# Allegro board RK3576_TEMPLATE_LP4XD200P132SD6_24X34_2133MHz_H1R0_V11_20240529YWQ.brd (continued)
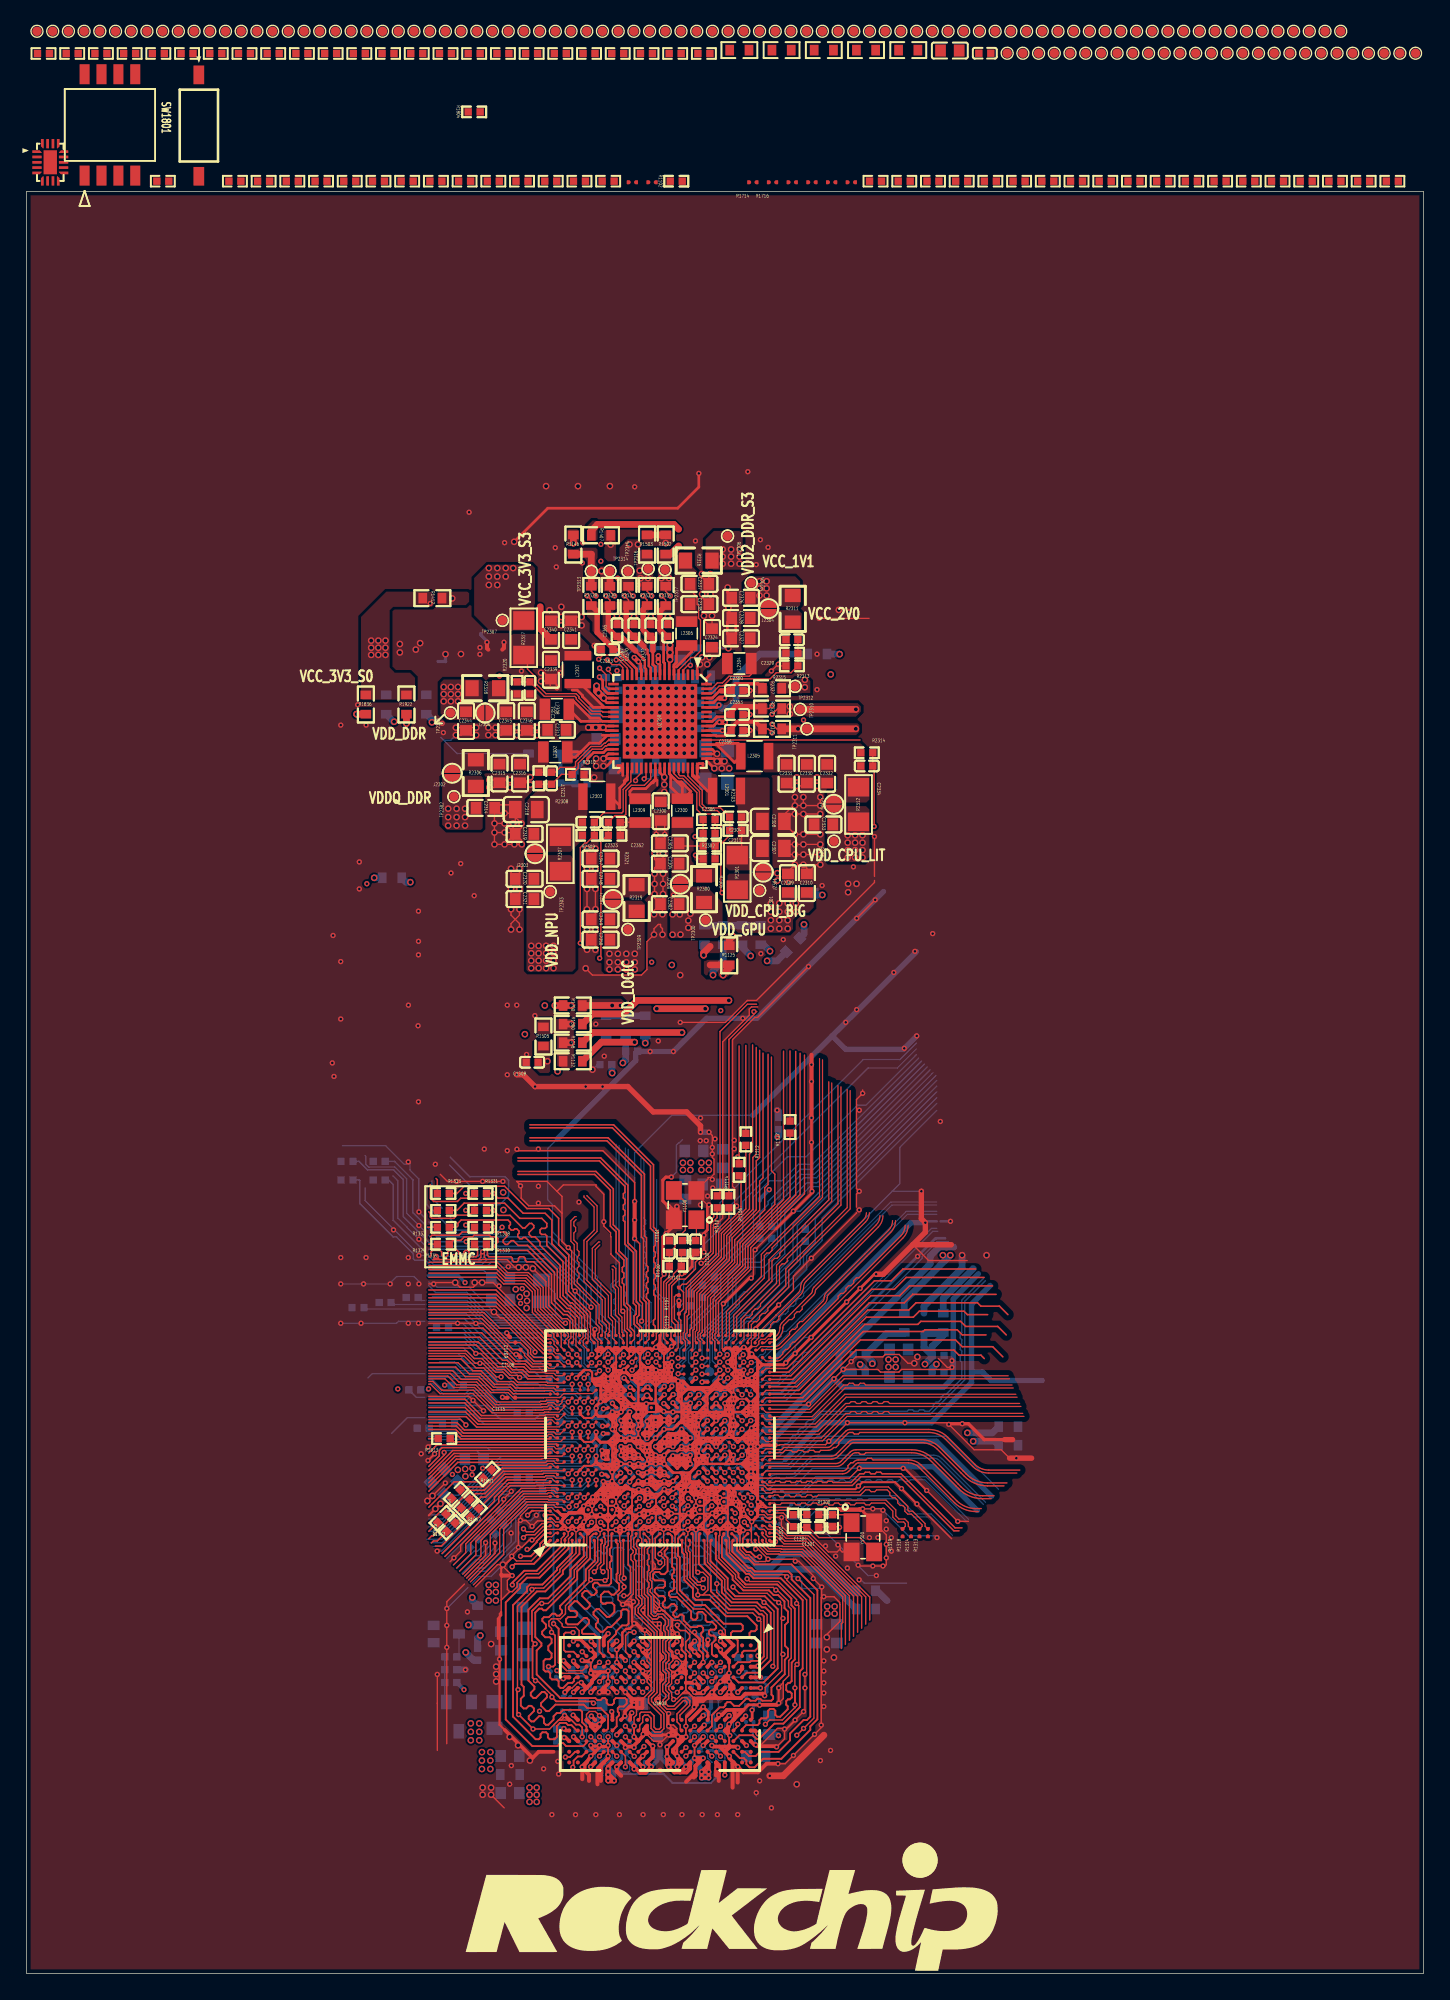
[diagram p0: board, top side]
## Routing (per net, layer and track width the routed paths; a pad name or vN(x,y) marks a point on that pad's centre or on a via; arc(x,y) is an arc through that point) (continued)
MIPI_DCPHY_AVDD1V2: length 44.9
  TOP w0.229: v1(51.2,41.56) 50.88,41.24 U1000.2M8
  L4-SIG w0.178: 55.94,42.8 55.43,42.29 51.93,42.29 v1(51.2,41.56)
  L4-SIG w0.508: v2(55.68,76.13) 59.03,72.78 59.03,70.2 60.23,69 60.23,47.09 55.94,42.8
  BOTTOM w0.305: v1(51.2,41.56) 50.98,41.77 C1506.1
  BOTTOM w0.508: v2(55.68,76.13) 56.44,76.13 R1504.1
MIPI_DCPHY_AVDD1V8: length 45
  TOP w0.229: U1000.2P8 v1(52.5,41.56)
  L4-SIG w0.178: v1(52.5,41.56) 52.87,41.93 55.93,41.93
  L4-SIG w0.508: v2(55.9,76.85) 59.64,73.11 59.64,70.45 60.84,69.25 60.84,45.72 57.4,42.29 56.29,42.29 55.93,41.93
  BOTTOM w0.305: v1(52.5,41.56) 52.82,41.24 C1509.1
  BOTTOM w0.508: v2(55.9,76.85) 55.4,77.35 R1506.1
MIPI_DCPHY_VREG: length 1
  TOP w0.229: U1000.2N7 51.52,40.59 v1(51.85,40.91)
  BOTTOM w0.305: C1503.1 51.62,40.68 v1(51.85,40.91)
MIPI_DPHY_CSI0_CAM_CLKOUT: length 9.6
  BOTTOM w0.102: R1951.2 38.67,36.2 36.89,36.2 36.59,35.89 36.25,35.89 36.13,36.02 35.75,36.02 31.27,31.53
MIPI_DPHY_CSI0_PDN_H: length 13.9
  TOP w0.102: v1(41.63,37.1) U1000.1C7
  BOTTOM w0.102: 30.35,32.38 31.26,32.38 35.7,36.83 38.17,36.83 38.37,37.03 40.19,37.03 40.47,36.74 41.27,36.74 v1(41.63,37.1)
MIPI_DPHY_CSI0_PWREN_H: length 14.3
  TOP w0.102: U1000.1D7 v1(42.23,37.1)
  BOTTOM w0.102: 30.58,32.1 31.26,32.1 35.76,36.6 38.22,36.6 38.38,36.75 40.08,36.75 40.29,36.54 41.67,36.54 v1(42.23,37.1)
MIPI_DPHY_CSI0_RX_CLKN/MIPI_CPHY_CSI_RX_TRIO1_B: length 18.8
  TOP w0.114: U1000.AL22 57.91,44.11 63.14,49.34 66.68,49.34 67.12,49.78 70.48,49.78 70.74,49.53 72.26,49.53
MIPI_DPHY_CSI0_RX_CLKP/MIPI_CPHY_CSI_RX_TRIO1_C: length 21.4
  TOP w0.102: U1000.AK22 55.6,44.38 56.01,44.38
  TOP w0.114: 56.01,44.38 57.76,44.38 63.25,49.88 66.33,49.88 66.88,50.42 71.5,50.42 71.75,50.16 73.15,50.16 73.79,49.53
MIPI_DPHY_CSI0_RX_D0N/MIPI_CPHY_CSI_RX_TRIO0_A: length 18
  TOP w0.114: 72.01,46.23 71.75,46.48 70.1,46.48 69.72,46.86 62.36,46.86 58.5,43.01 U1000.AL20
MIPI_DPHY_CSI0_RX_D0P/MIPI_CPHY_CSI_RX_TRIO0_B: length 20.5
  TOP w0.102: 56.13,43.28 55.6,43.28 U1000.AK20
  TOP w0.114: 73.41,46.36 72.64,47.12 70.36,47.12 69.85,47.62 62.7,47.62 58.36,43.28 56.13,43.28
MIPI_DPHY_CSI0_RX_D1N/MIPI_CPHY_CSI_RX_TRIO0_C: length 18.4
  TOP w0.114: 72.14,48.01 70.36,48.01 69.98,48.39 67.55,48.39 67.42,48.26 62.91,48.26 58.21,43.56 U1000.AL21
MIPI_DPHY_CSI0_RX_D1P/MIPI_CPHY_CSI_RX_TRIO1_A: length 21
  TOP w0.102: U1000.AK21 55.6,43.83 56.13,43.83
  TOP w0.114: 56.13,43.83 58.06,43.83 63.02,48.8 67.02,48.8 67.24,49.02 70.23,49.02 70.61,48.64 73.03,48.64 73.66,48.01
MIPI_DPHY_CSI0_RX_D2N/MIPI_CPHY_CSI_RX_TRIO2_A: length 19.7
  TOP w0.114: U1000.AL23 57.61,44.66 63.37,50.41 65.99,50.41 66.63,51.05 72.9,51.05
MIPI_DPHY_CSI0_RX_D2P/MIPI_CPHY_CSI_RX_TRIO2_B: length 20.2
  TOP w0.102: U1000.AK23 55.6,44.93 56.13,44.93
  TOP w0.114: 72.63,51.69 66.39,51.69 65.65,50.95 63.48,50.95 57.46,44.93 56.13,44.93
MIPI_DPHY_CSI0_RX_D3N/MIPI_CPHY_CSI_RX_TRIO2_C: length 19.1
  TOP w0.114: 72,52.32 66.14,52.32 65.25,51.44 63.54,51.44 57.32,45.21 U1000.AL24
MIPI_DPHY_CSI0_RX_D3P/NO_USE: length 19.2
  TOP w0.102: 56.13,45.48 56.13,45.48 55.6,45.48 U1000.AK24
  TOP w0.114: 71.36,52.96 65.9,52.96 65.01,52.07 63.75,52.07 57.17,45.48 56.13,45.48
MIPI_DPHY_CSI1_CAM_CLKOUT: length 10
  BOTTOM w0.102: R1952.2 34.85,39.32 34.62,39.55 31.17,39.55 31.03,39.41 31.03,38.91 30.24,38.12
MIPI_DPHY_CSI1_PDN_H: length 11.9
  TOP w0.102: U1000.1C12 v1(41.33,39.36)
  BOTTOM w0.102: v1(41.33,39.36) 40.93,39.75 30.87,39.75 30.24,39.12
MIPI_DPHY_CSI1_RX_CLKN: length 21
  TOP w0.089: v1(53.88,46.52) U1000.1AC23
  BOTTOM w0.089: v1(53.88,46.52) 53.88,46.65 53.56,46.97 53.56,47.16 54.16,47.76 55.06,47.76 55.26,47.96 55.45,47.96 55.64,48.15 55.64,48.34 56.29,48.99 56.48,48.99 56.68,49.19 56.68,49.38 56.87,49.57 57.06,49.57 57.26,49.77 57.26,49.96 57.46,50.16 57.65,50.16 57.85,50.36 57.85,50.55 58.05,50.74 58.24,50.74 58.43,50.94 58.43,51.13 65.07,57.76 68.44,57.76
MIPI_DPHY_CSI1_RX_CLKP: length 21.5
  TOP w0.089: v1(53.92,45.96) U1000.1AC22
  BOTTOM w0.089: 68.44,57.99 64.97,57.99 54.97,47.98 54.07,47.98 53.34,47.25 53.34,46.88 53.53,46.69 53.53,46.35 v1(53.92,45.96)
MIPI_DPHY_CSI1_RX_D0N: length 24.4
  TOP w0.089: U1000.AE28 52.84,47.68 52.84,49.67 55.47,52.29 55.47,53.97 55.67,54.16 55.86,54.16 56.05,54.36 56.05,54.55 59.85,58.34 59.85,68.69
MIPI_DPHY_CSI1_RX_D0P: length 23.7
  TOP w0.089: U1000.AE29 52.62,48 52.62,49.76 55.24,52.39 55.24,54.06 59.62,58.44 59.62,68.78
MIPI_DPHY_CSI1_RX_D1N: length 22.7
  TOP w0.089: 60.54,66.94 60.54,58.06 56.63,54.15 56.63,53.96 56.44,53.76 56.24,53.76 56.05,53.56 56.05,52.05 53.39,49.39 53.39,47.68 U1000.AF28
MIPI_DPHY_CSI1_RX_D1P: length 22.1
  TOP w0.089: U1000.AF29 53.17,48 53.17,49.49 55.82,52.14 55.82,53.66 60.32,58.15 60.32,67.04
MIPI_DPHY_CSI1_RX_D2N/MIPI_DPHY_CSI2_RX_D0N: length 22.7
  TOP w0.089: 61.23,66.66 61.23,57.77 57.2,53.73 57.2,53.54 57,53.34 56.81,53.34 56.61,53.15 56.61,51.79 55.19,50.36 55.19,50.17 54.97,49.95 54.78,49.95 54.56,49.74 54.56,49.55 54.35,49.33 54.16,49.33 53.94,49.12 53.94,47.68 U1000.AG28
MIPI_DPHY_CSI1_RX_D2P/MIPI_DPHY_CSI2_RX_D0P: length 21.8
  TOP w0.089: U1000.AG29 53.72,48 53.72,49.21 56.39,51.88 56.39,53.24 61.01,57.86 61.01,66.75
MIPI_DPHY_CSI1_RX_D3N/MIPI_DPHY_CSI2_RX_D1N: length 22.4
  TOP w0.089: U1000.AH28 54.23,47.58 54.49,47.85 54.49,48.78 54.71,48.99 54.9,48.99 55.11,49.21 55.11,49.4 55.33,49.61 55.52,49.61 55.74,49.83 55.74,50.02 57.31,51.59 57.31,52.86 61.93,57.48 61.93,66.37
MIPI_DPHY_CSI1_RX_D3P/MIPI_DPHY_CSI2_RX_D1P: length 21.6
  TOP w0.089: 61.7,66.46 61.7,57.57 57.08,52.95 57.08,51.68 54.27,48.87 54.27,48 U1000.AH29
MIPI_DPHY_CSI2_RX_CLKN: length 19.5
  TOP w0.089: U1000.1AD22 54.49,45.92 v1(54.49,45.93)
  BOTTOM w0.089: v1(54.49,45.93) 54.78,45.93 54.97,46.12 54.97,46.31 55.17,46.51 55.36,46.51 55.56,46.71 55.56,46.9 55.76,47.1 55.95,47.1 56.15,47.3 56.15,47.49 56.34,47.68 56.53,47.68 56.73,47.88 56.73,48.07 56.93,48.27 57.12,48.27 66.14,57.29 68.44,57.29
MIPI_DPHY_CSI2_RX_CLKP: length 19.2
  TOP w0.089: v1(54.48,45.31) U1000.1AD21
  BOTTOM w0.089: v1(54.48,45.31) 66.24,57.07 68.44,57.07
MIPI_DPHY_CSI3_CAM_CLKOUT: length 8.7
  BOTTOM w0.102: 30.1,32.64 31.22,32.64 35.85,37.26 R1953.2
MIPI_DPHY_CSI3_PDN_H: length 14.5
  TOP w0.102: U1000.1D10 v1(42.23,38.9)
  BOTTOM w0.102: v1(42.23,38.9) 41.67,38.34 35.74,38.34 31.23,33.84 30.24,33.84
MIPI_DPHY_CSI3_RX_CLKN: length 17
  TOP w0.089: v1(44.88,46.51) U1000.1H23
  BOTTOM w0.089: v1(44.88,46.51) 44.78,46.61 44.78,46.96 44.91,47.09 44.91,47.4 44.78,47.53 44.78,47.85 44.91,47.98 44.91,48.29 44.78,48.42 44.78,48.95 44.17,49.56 44.17,49.84 44.3,49.97 44.3,50.25 44.17,50.39 44.17,50.67 44.3,50.8 44.3,51.08 44.17,51.22 44.17,51.72 44.55,52.1 44.55,62.25
MIPI_DPHY_CSI3_RX_CLKP: length 17.3
  TOP w0.089: v1(44.88,45.91) U1000.1H22
  BOTTOM w0.089: 44.32,62.34 44.32,52.2 43.94,51.82 43.94,49.47 44.56,48.85 44.56,46.33 44.88,46 v1(44.88,45.91)
MIPI_DPHY_CSI3_RX_D0N: length 10.1
  TOP w0.089: 41.32,56.67 41.15,56.5 41.15,56.22 41.28,56.08 41.28,55.8 41.15,55.67 41.15,55.14 41.4,54.89 41.4,54.41 41.54,54.27 41.54,53.99 41.4,53.86 41.4,53.58 41.54,53.44 41.54,53.16 41.4,53.03 41.4,52.75 41.54,52.62 41.54,52.34 41.4,52.2 41.4,51.92 43.04,50.28 43.04,48.91 43.28,48.67 43.28,48.02 U1000.H29
MIPI_DPHY_CSI3_RX_D0P: length 10.7
  TOP w0.089: 41.32,56.9 41.23,56.9 40.92,56.59 40.92,55.05 41.18,54.79 41.18,51.83 42.82,50.19 42.82,48.82 43.06,48.58 43.06,48.2 42.96,48.1 42.96,47.8 43.23,47.53 U1000.H28
MIPI_DPHY_CSI3_RX_D1N: length 11.9
  TOP w0.089: U1000.J29 43.73,48 43.73,48.11 43.81,48.2 43.81,48.83 43.51,49.14 43.51,50.73 42.13,52.1 42.13,55.03 42.9,55.79 42.9,57.71 42.13,58.47
MIPI_DPHY_CSI3_RX_D1P: length 12.5
  TOP w0.089: 41.91,58.47 41.91,58.38 42.67,57.61 42.67,55.88 41.91,55.12 41.91,52.01 43.28,50.64 43.28,49.05 43.59,48.74 43.59,48.29 43.51,48.21 43.51,47.81 43.77,47.54 U1000.J28
MIPI_DPHY_CSI3_RX_D2N/MIPI_DPHY_CSI4_RX_D0N: length 7.6
  TOP w0.089: 43.1,54.77 42.76,54.42 42.76,52.27 43.97,51.06 43.97,49.44 44.28,49.13 44.28,48 U1000.K29
MIPI_DPHY_CSI3_RX_D2P/MIPI_DPHY_CSI4_RX_D0P: length 8.6
  TOP w0.089: 43.1,54.99 43.01,54.99 42.54,54.52 42.54,52.17 43.74,50.96 43.74,49.35 44.06,49.03 44.06,47.76 44.33,47.5 U1000.K28
MIPI_DPHY_CSI3_RX_D3N/MIPI_DPHY_CSI4_RX_D1N: length 5.6
  TOP w0.089: 44.02,53.18 44.11,53.18 44.31,52.99 44.31,51.71 44.51,51.5 44.51,50.71 44.51,50.71 44.51,49.6 44.77,49.34 44.77,48.21 44.82,48.16 44.82,48.02 U1000.L29
MIPI_DPHY_CSI3_RX_D3P/MIPI_DPHY_CSI4_RX_D1P: length 5.9
  TOP w0.089: 44.02,52.96 44.08,52.9 44.08,51.61 44.28,51.41 44.28,50.75 44.28,50.75 44.28,49.51 44.54,49.25 44.54,48.12 44.59,48.07 44.59,47.86 44.87,47.58 U1000.L28
MIPI_DPHY_CSI4_RX_CLKN: length 17.4
  TOP w0.089: U1000.1K23 v1(45.53,45.96)
  BOTTOM w0.089: 45.02,62.06 45.02,51.76 44.88,51.63 44.88,51.35 45.02,51.21 45.02,50.93 44.88,50.8 44.88,50.52 45.02,50.39 45.02,50.17 45.5,49.69 45.5,48.74 45.36,48.61 45.36,48.33 45.5,48.19 45.5,47.91 45.36,47.78 45.36,47.5 45.5,47.37 45.5,47.09 45.78,46.81 45.78,46.21 v1(45.53,45.96)
MIPI_DPHY_CSI4_RX_CLKP: length 17.5
  TOP w0.089: U1000.1K22 v1(45.53,45.36)
  BOTTOM w0.089: v1(45.53,45.36) 45.86,45.7 45.86,45.98 46,46.12 46,46.9 45.72,47.18 45.72,49.78 45.24,50.26 45.24,61.96
MIPI_DPHY_DSI_TX_CLKN: length 20.2
  TOP w0.089: 74.47,43.32 61.62,43.32 59.38,41.08 55.6,41.08 U1000.AK17
MIPI_DPHY_DSI_TX_CLKP: length 19.5
  TOP w0.089: U1000.AL17 55.93,41.31 59.29,41.31 61.53,43.54 74.38,43.54
MIPI_DPHY_DSI_TX_D0N: length 20.6
  TOP w0.089: 74.99,41.88 61.69,41.88 59.85,40.04 56.04,40.04 55.99,39.98 55.6,39.98 U1000.AK15
MIPI_DPHY_DSI_TX_D0P: length 20.2
  TOP w0.089: U1000.AL15 59.75,40.26 61.6,42.1 61.88,42.1 62.01,42.24 62.29,42.24 62.43,42.1 62.71,42.1 62.84,42.24 63.12,42.24 63.25,42.1 63.53,42.1 63.67,42.24 63.95,42.24 64.08,42.1 64.36,42.1 64.5,42.24 64.78,42.24 64.91,42.1 74.9,42.1
MIPI_DPHY_DSI_TX_D1N: length 20.4
  TOP w0.089: U1000.AK16 55.6,40.53 59.58,40.53 61.68,42.63 74.76,42.63
MIPI_DPHY_DSI_TX_D1P: length 20.1
  TOP w0.089: U1000.AL16 55.93,40.76 59.49,40.76 61.58,42.85 61.86,42.85 62,42.98 62.28,42.98 62.41,42.85 62.69,42.85 62.83,42.98 63.1,42.98 63.24,42.85 63.52,42.85 63.65,42.98 63.93,42.98 64.07,42.85 64.35,42.85 64.48,42.98 64.76,42.98 64.9,42.85 74.67,42.85
MIPI_DPHY_DSI_TX_D2N: length 20
  TOP w0.089: U1000.AK18 55.6,41.63 59.16,41.63 61.54,44.01 74.19,44.01
MIPI_DPHY_DSI_TX_D2P: length 19.4
  TOP w0.089: U1000.AL18 55.93,41.86 59.07,41.86 61.45,44.24 61.73,44.24 61.86,44.37 62.14,44.37 62.27,44.24 62.55,44.24 62.69,44.37 62.97,44.37 63.1,44.24 74.09,44.24
MIPI_DPHY_DSI_TX_D3N: length 19.7
  TOP w0.089: 73.9,44.71 61.48,44.71 58.96,42.18 55.6,42.18 U1000.AK19
MIPI_DPHY_DSI_TX_D3P: length 19
  TOP w0.089: U1000.AL19 55.93,42.41 58.87,42.41 61.39,44.93 73.81,44.93
NPOR: length 12.3
  TOP w0.089: 49.19,48.35 49.18,48.34 49.18,47.5 U1000.W28
  TOP w0.102: 49.19,48.35 49.19,49.1 49.05,49.25 C1119.1 49.39,49.96 49.39,51.21 R1107.1 49.31,51.82 49.61,51.82 51.84,54.04 51.84,55.8 52.81,56.78 R1106.1
OSC_1V8: length 40.2
  TOP w0.229: v1(48.6,42.9) 48.6,42.89 48.6,42.86 U1000.2J10
  TOP w0.508: v2(50.91,76.56) 50.91,76.73 51.4,77.22
  L4-SIG w0.178: 49.66,47.55 49.68,47.53 49.68,43.94 48.97,43.23 48.93,43.23 48.6,42.91 v1(48.6,42.9)
  L4-SIG w0.508: v2(50.91,76.56) 50.91,73.27 50.42,72.78 50.42,66.65 54.02,63.04 54.02,56.57 52.3,54.85 52.3,52.7 49.66,50.05 49.66,47.55
  BOTTOM w0.305: C1102.1 48.89,42.91 48.62,42.91 48.61,42.9 v1(48.6,42.9)
  BOTTOM w0.508: v2(50.91,76.56) 50.91,77.29 R1119.2
OSC_UFS_AVDD: length 25.2
  TOP w0.229: U1000.2M2 v1(51.2,37.01)
  L4-SIG w0.203: 55.58,36.4 51.4,36.4 51.2,36.6 v1(51.2,37.01)
  L4-SIG w0.508: v2(71.18,40.01) 66.7,40.01 62.76,36.07 60.53,36.07 60.2,36.4 55.58,36.4
  BOTTOM w0.305: C1307.1 50.96,37.25 v1(51.2,37.01)
  BOTTOM w0.508: v2(71.18,40.01) 72.8,40.01 R1324.1
OSC_UFS_XIN: length 10
  TOP w0.102: Y1300.3 62.65,32.77 59.58,32.77 58.8,33.54 C1304.1 57.69,33.54 R1302.2 57.12,34.1 57.12,34.39 56.9,34.61 56.2,34.61 56.07,34.48 55.72,34.48 55.45,34.76 U1000.AK5
OSC_UFS_XOUT: length 3
  TOP w0.102: R1300.1 R1302.1 57.31,34.81 55.93,34.81 U1000.AL5
OTP_VDD0V75: length 38.7
  TOP w0.229: v1(48.62,43.52) 48.61,43.52 48.61,43.52 U1000.2H11
  TOP w0.508: v2(49.28,70.74) 42.55,70.74 R1148.1
  L4-SIG w0.102: 49.02,49.66 49.02,49.99 50.06,51.03 50.06,51.42 ; 49.38,44.29 49.38,46.76 49.02,47.12 ; 49.18,51.18 49.02,51.18 48.57,50.73
  L4-SIG w0.178: 48.58,43.54 48.59,43.54 48.61,43.52 v1(48.62,43.52) 48.62,43.53 49.38,44.29 ; 49.02,47.5 49.02,47.12
  L4-SIG w0.508: 49.18,51.18 49.42,51.42 50.06,51.42 51.69,53.05 51.69,55.1 52.34,55.75 52.34,63.48 49.28,66.55 v2(49.28,70.74)
  BOTTOM w0.229: C1117.1 48.97,43.54 48.64,43.54 48.62,43.52 v1(48.62,43.52)
PCIE0_CLKREQN_M0: length 11.3
  TOP w0.089: U1000.1A17 40.42,42.58 40.04,42.19 39.26,42.19 39.25,42.2
  TOP w0.102: 30.24,44.3 30.38,44.3 31.09,43.59 33.56,43.59 35,42.15 38.9,42.15 38.95,42.2 39.25,42.2
PCIE0_PERSTN: length 10.1
  TOP w0.102: 30.24,44.5 30.56,44.5 31.21,43.85 33.59,43.85 35.09,42.35 38.28,42.35 38.28,42.35 38.82,42.35 38.86,42.4 39.31,42.4 U1000.A19
PCIE0_SOC_REFCLKN: length 14.1
  TOP w0.089: U1000.1N23 47.37,46.51 v1(47.37,46.51)
  BOTTOM w0.089: v1(47.37,46.51) 47.37,46.56 47.78,46.97 47.78,50.52 47.15,51.15 47.15,59.78
PCIE0_SOC_REFCLKP: length 15
  TOP w0.089: U1000.1N22 v1(47.33,45.96)
  BOTTOM w0.089: 47.37,59.69 47.37,54.19 47.51,54.05 47.51,53.77 47.37,53.64 47.37,53.36 47.51,53.23 47.51,52.95 47.37,52.81 47.37,52.07 47.51,51.94 47.51,51.66 47.37,51.52 47.37,51.24 48.01,50.61 48.01,46.86 47.75,46.61 47.75,46.39 v1(47.33,45.96)
PCIE0_SOC_RXN: length 23.8
  TOP w0.117: U1000.R29 47.13,48.01 47.13,48.2 47.27,48.35 47.27,48.65 47.13,48.79 47.13,49.09 47.27,49.23 47.27,50.92 47.16,51.03 47.16,51.33 47.27,51.44 47.27,51.74 47.16,51.85 47.16,52.16 47.27,52.26 47.27,52.57 47.16,52.67 47.16,52.98 47.27,53.09 47.27,53.39 47.16,53.5 47.16,53.8 47.27,53.91 47.27,54.21 47.16,54.32 47.16,54.63 47.27,54.73 47.27,55.67 46.91,56.02 46.91,60.71 44.05,63.57 37.85,63.57
PCIE0_SOC_RXP: length 24.2
  TOP w0.102: U1000.R28 47.35,47.68 47.35,48.11
  TOP w0.117: 37.85,63.8 44.14,63.8 47.14,60.8 47.14,56.11 47.49,55.76 47.49,48.25 47.35,48.11
PCIE0_SOC_TXN: length 22.9
  TOP w0.102: U1000.P28 46.8,47.68 46.8,48.13
  TOP w0.117: 37.85,62.82 43.73,62.82 46.46,60.09 46.46,55.46 46.61,55.31 46.61,53.23 46.72,53.12 46.72,52.82 46.61,52.71 46.61,52.41 46.72,52.3 46.72,52 46.61,51.89 46.61,51.58 46.72,51.48 46.72,51.17 46.61,51.07 46.61,50.76 46.8,50.57 46.8,48.13
PCIE0_SOC_TXP: length 21.7
  TOP w0.117: 37.85,62.6 43.64,62.6 46.23,60 46.23,55.37 46.39,55.21 46.39,50.67 46.58,50.48 46.58,48.01 U1000.P29
PCIE0_WAKEN_M0: length 28.3
  TOP w0.102: U1000.1Y22 v1(52.12,45.96)
  BOTTOM w0.102: 68.44,66.71 57.95,56.23 57.95,53.52 54.11,49.68 53.94,49.68 51.77,47.5 51.77,46.32 v1(52.12,45.96)
PCIE1_CLKREQN_M0: length 12.2
  TOP w0.102: U1000.1B16 v1(41.02,42.5)
  BOTTOM w0.102: v1(41.02,42.5) 40.72,42.5 40.41,42.81 35.66,42.81 34.63,43.84 33.26,43.84 32.98,43.56 31.31,43.56 30.55,44.32 30.24,44.32
PCIE1_REFCLKN: length 16.3
  TOP w0.089: U1000.1M23 v1(46.73,45.96)
  BOTTOM w0.089: 46.19,61.31 46.19,50.87 46.74,50.33 46.74,49.08 46.4,48.75 46.4,46.28 v1(46.73,45.96)
PCIE1_REFCLKP: length 16.5
  TOP w0.089: U1000.1L23 v1(46.73,46.56)
  BOTTOM w0.089: 46.42,61.21 46.42,56.76 46.55,56.63 46.55,56.35 46.42,56.21 46.42,55.93 46.55,55.8 46.55,55.52 46.42,55.39 46.42,55.11 46.55,54.97 46.55,54.69 46.42,54.56 46.42,54.28 46.55,54.14 46.55,53.86 46.42,53.73 46.42,53.45 46.55,53.32 46.55,53.04 46.42,52.9 46.42,52.62 46.55,52.49 46.55,52.21 46.42,52.07 46.42,51.79 46.55,51.66 46.55,51.38 46.42,51.25 46.42,50.97 46.96,50.42 46.96,48.99 46.62,48.66 46.62,48.35 46.76,48.21 46.76,47.93 46.62,47.8 46.62,47.52 46.76,47.38 46.76,47.1 46.62,46.97 46.62,46.66 v1(46.73,46.56)
PCIE1_RXN/USB3_HOST1_SSRXN: length 19.2
  TOP w0.117: U1000.M29 45.48,48.01 45.48,48.16 45.17,48.47 45.17,50.02 44.91,50.28 44.91,51.8 44.79,51.92 44.79,52.22 44.91,52.34 44.91,52.64 44.79,52.76 44.79,53.07 44.91,53.18 44.91,53.64 44.32,54.23 44.32,55.75 43.89,56.18 43.89,58.89 42.71,60.07 36.95,60.07
PCIE1_RXP/USB3_HOST1_SSRXP: length 20.1
  TOP w0.102: U1000.M28 45.7,47.68 45.7,48.25
  TOP w0.117: 45.7,48.25 45.39,48.56 45.39,50.11 45.13,50.37 45.13,53.73 44.55,54.32 44.55,55.85 44.12,56.28 44.12,58.98 42.8,60.29 36.95,60.29
PCIE1_TXN/USB3_HOST1_SSTXN: length 20.9
  TOP w0.117: 36.95,61.09 43.07,61.09 44.99,59.17 44.99,58.72 44.87,58.61 44.87,58.3 44.99,58.19 44.99,57.88 44.87,57.76 44.87,57.46 44.99,57.34 44.99,57.04 44.87,56.92 44.87,56.62 44.99,56.5 44.99,54.83 45.62,54.2 45.62,50.39 45.83,50.18 45.83,49.58 45.68,49.42 45.68,48.81 46.03,48.46 46.03,48.01 U1000.N29
PCIE1_TXP/USB3_HOST1_SSTXP: length 21.6
  TOP w0.102: U1000.N28 46.25,47.68 46.25,48.55
  TOP w0.117: 46.25,48.55 45.9,48.9 45.9,49.33 46.05,49.48 46.05,50.27 45.85,50.48 45.85,54.29 45.21,54.93 45.21,59.27 43.17,61.31 36.95,61.31
PCIE_COMBOPHY_AVDD0V85: length 35.6
  TOP w0.229: U1000.2F11 46.72,43.44 v2(46.65,43.44) 46.58,43.44 U1000.2E11
  TOP w0.508: v2(44.67,72.77) v2(44.03,72.77) R1700.1
  L4-SIG w0.229: v2(46.65,43.44) 46.61,43.44 45.92,44.13 45.92,47.22
  L4-SIG w0.508: 45.92,47.22 45.39,47.75 45.39,48.34 44.28,49.45 44.28,50.16 44.32,50.21 44.32,51.44 44.58,51.69 44.58,57.28 44.32,57.53 44.32,58.8 44.03,59.09 v2(44.03,67.69) v2(44.03,72.77)
  BOTTOM w0.305: v2(46.65,43.44) 46.2,43.44 C1700.1
  BOTTOM w0.508: v2(44.03,67.69) 44.01,67.71 C1702.1
PCIE_COMBOPHY_AVDD1V8: length 30.4
  TOP w0.229: U1000.2E12 46.56,44.07 v1(46.7,44.07) 46.74,44.07 U1000.2F12
  L4-SIG w0.203: v1(46.7,44.07) 46.69,44.08 46.62,44.08 46.33,44.37 46.33,46.99 46.79,47.45 46.79,49.28 46.17,49.9 46.17,58.43 44.83,59.78 v2(44.83,68.45)
  BOTTOM w0.305: 46.91,44.52 C1703.1 46.33,44.44 v1(46.7,44.07) 46.96,44.33 C1701.1 46.91,44.52
  BOTTOM w0.508: R1701.1 C1704.1 45.04,68.67 v2(44.83,68.45)
PDM1_CLK1_M1: length 10.7
  TOP w0.089: U1000.1A5 40.29,35.59 39.26,35.59 39.2,35.65
  TOP w0.102: 39.2,35.65 37.53,35.65 34.87,32.99 34.87,31.51 33.08,29.72
PDM1_SDI1_M1: length 10.1
  TOP w0.089: 38.93,35.45 39.13,35.45 39.18,35.4 39.83,35.4 U1000.B6
  TOP w0.102: 38.93,35.45 37.62,35.45 35.57,33.4 35.57,31.64 33.37,29.43
PDM1_SDI2_M1: length 10.5
  TOP w0.089: 39.15,36.06 39.22,36.13 39.49,36.13 39.75,35.86 U1000.B7
  TOP w0.102: 32.56,30.24 33.78,31.46 33.78,32.48 37.36,36.06 39.15,36.06
PLL_AVDD1V8: length 28.4
  TOP w0.229: v1(48.52,44.15) 48.52,44.08 U1000.2H12
  L4-SIG w0.102: 48.11,47.97 48.11,47.6
  L4-SIG w0.203: v1(48.52,44.15) 48.52,44.19 48.11,44.59 48.11,47.6 ; 48.11,47.97 48.01,48.08 48.01,49.73 48.03,49.76
  L4-SIG w0.508: v2(46.52,69.95) 46.33,69.76 46.33,60.86 47.37,59.82 47.37,50.43 48.03,49.76
  BOTTOM w0.305: v1(48.52,44.15) 48.53,44.17 48.53,44.72 C1105.1
  BOTTOM w0.508: v2(46.52,69.95) R1136.2
PLL_DVDD0V75: length 33.1
  TOP w0.229: U1000.2G11 v1(47.95,43.51)
  TOP w0.508: v2(45.72,70.01) 43.22,70.01 R1132.2
  L4-SIG w0.203: v1(47.95,43.51) 47.5,43.96 47.5,44.32 47.81,44.63 47.81,47.26 47.4,47.66
  L4-SIG w0.508: 47.4,47.66 47.4,49.53 46.76,50.17 46.76,59.41 45.72,60.45 v2(45.72,70.01)
  BOTTOM w0.305: v1(47.95,43.51) 47.68,43.51 C1104.1
PMIC_EXT_EN_OUT: length 1.1
  TOP w0.102: v1(45.79,89.68) 45.79,89.69 45.79,89.83 46.23,90.27 U2300.39
PMIC_FB5: length 9.1
  TOP w0.102: U2300.47 49.02,90.14 49.13,90.04 49.42,90.04 50.6,88.86 50.6,87.82 50.99,87.43 51.93,87.43 52.2,87.16 52.2,85.19 R2302.2 R2305.1
PMIC_FB6: length 7.1
  TOP w0.102: R2308.2 C2317.2 40.22,90.15 R2310.1 41.48,90.62 41.48,90.99 42.53,92.04 43.27,92.04 43.52,92.29 43.62,92.29 43.72,92.38 U2300.31
PMIC_FB9: length 9.7
  TOP w0.102: U2300.66 51.52,96.23 52.07,96.79 52.37,96.79 52.91,97.32 55.9,97.32 56.37,97.79 57.48,97.79 R2315.1 R2313.2 C2329.2
PMIC_INT_L: length 26.2
  TOP w0.102: v1(43.08,98.13) 43.57,97.64 43.57,96.77 43.76,96.58 U2300.19
  BOTTOM w0.102: 67.07,68.81 59.09,60.83 58.04,60.83 56.8,59.59 55.85,59.59 54.66,58.39 54.66,55.56 51.71,52.62 R1116.2
PMIC_PWR_CTRL1: length 6.6
  TOP w0.102: 54.08,69.77 R1112.2
PMIC_PWR_CTRL2: length 26.4
  TOP w0.102: R1114.2 53.57,61.28 v1(53.47,61.38) 53.57,61.49 53.57,69.73
  L4-SIG w0.102: v1(47,76.03) 49.78,73.24 49.78,66.67 53.59,62.87 53.59,61.51 v1(53.47,61.38)
PMIC_SW1: length 5.3
  TOP w0.203: U2300.51 50.43,90.81 50.57,90.95 50.86,90.95 50.86,90.95 50.86,90.63 U2300.51 ; U2300.51 50.43,90.04 50.55,89.92 ; 50.43,89.79 50.08,90.14 ; 50.08,90.14 U2300.50 ; 50.08,90.14 50.08,90.03 51.21,88.9 L2301.1
PMIC_SW2: length 6.2
  TOP w0.203: U2300.36 45.17,89.9 ; 45.17,89.9 45.17,89.75 44.96,89.53 44.96,89.48 44.6,89.12 44.6,87.66 44.58,87.63 44.58,87.82 L2303.1 ; 45.17,89.9 44.93,89.66 ; 44.43,90.81 44.65,90.81 U2300.35 ; U2300.35 44.49,90.3 ; U2300.35 44.82,90.06
PMIC_SW3: length 6.6
  TOP w0.203: 53.11,92.48 51.89,92.48 51.89,92.38 ; 53.11,92.48 53.5,92.48 53.7,92.27 L2305.1 53.25,91.06 53.21,91.06 51.89,92.38 ; 53.11,92.48 53.09,92.46 ; 51.89,92.38 52.36,92.38 ; 51.89,92.38 U2300.55
PMIC_SW4: length 6.4
  TOP w0.203: U2300.23 43.35,95.18 ; 43.35,95.18 43.35,95.28 41.65,96.97 L2307.1 ; 43.35,95.18 42.61,95.18 41.79,96 41.79,96.09 41.4,96.48 41.02,96.48
PMIC_SW5: length 7
  TOP w0.203: 48.43,90.09 48.32,90.2 U2300.45 ; 48.43,90.09 48.94,89.58 ; 48.43,90.09 48.43,89.2 L2300.2 ; 48.94,89.58 49.23,89.58 49.95,88.86 49.41,88.33 L2300.2 ; 48.94,89.58 49.31,89.22 L2300.2
PMIC_SW6: length 5.7
  TOP w0.203: 43.66,93.08 U2300.29 ; 43.66,93.08 43.29,93.08 ; 43.66,93.08 43.07,92.5 42.34,92.5 41.67,91.83 41.67,91.83 ; 41.67,91.83 L2302.2 41.05,91.44 41.27,91.44 41.67,91.83
PMIC_SW7: length 5.5
  TOP w0.152: 47.27,89.85 47.42,89.71 47.42,89.3 ; 47.27,89.67 47.11,89.51
  TOP w0.203: L2309.1 46.02,88.22 45.73,88.22 45.36,88.59 45.36,88.88 45.56,89.08 46.56,89.08 46.99,89.51 ; 47.27,89.79 U2300.42 ; 47.27,89.79 46.99,89.51 ; 47.27,89.79 47.27,89.67 ; 47.11,89.51 46.99,89.51
PMIC_SW8: length 5.5
  TOP w0.203: 48.68,98.23 48.68,98.38 48.87,98.57 48.87,99.63 49.07,99.83 49.8,99.83 50.01,99.63 50.01,99.37 48.87,98.23 48.68,98.23 ; 48.68,98.23 U2300.6
PMIC_SW9: length 0.8
  TOP w0.203: 51.41,97.66 51.13,97.38 U2300.68
PMIC_SW10: length 7.5
  TOP w0.152: 42.95,94.18 42.99,94.13 43.3,94.13 43.05,94.38
  TOP w0.203: 43.3,94.13 U2300.26 ; 42.99,94.13 41.68,94.13 L2308.2 40.9,95.05 40.9,95.47 41.1,95.68 42.39,94.38 43.05,94.38
PMIC_VDC: length 5.8
  TOP w0.203: U2300.32 43.62,92.03 43.38,91.79 42.63,91.79 42.16,91.32 v1(42.16,91.06)
  BOTTOM w0.305: R2330.2 40.22,89.45 R2332.1 C2368.1 41.24,90.42 41.88,91.06 v1(42.16,91.06)
PMU_DVDD0V75: length 93.5
  TOP w0.203: U1000.2L2 v1(50.55,37.66)
  TOP w0.229: U1000.2L10 50.55,42.86 v1(50.58,42.86)
  TOP w0.508: R1146.1 v2(41.11,107.54)
  L4-SIG w0.089: v1(50.55,37.66) 50.87,37.98 50.87,40.77 50.87,40.77 50.87,41.69 50.87,41.69 50.87,42.56 v1(50.58,42.86) 50.2,42.48 50.2,40.75 50.23,40.72 50.23,39.75 50.22,39.74 50.22,39.47 50.23,39.47 50.23,37.98 v1(50.55,37.66)
  L4-SIG w0.178: 56.26,51.06 55.99,50.79 55.99,48.63 55.43,48.07 54.41,48.07 53.21,46.87 53.21,44.32 52.04,44.32 v1(50.58,42.86)
  L4-SIG w0.508: 41.57,107.02 41.87,106.73 43.64,106.73 44.2,106.17 46.38,106.17 46.76,105.79 48.47,105.79 49.81,104.45 49.81,99.64 49.36,99.19 49.36,97.96 49.91,97.41 50.28,97.41 50.67,97.03 50.67,91.49 49.15,89.98 49.15,81.66 51.31,79.5 51.31,77.31 53.24,75.38 53.24,74.55 53.86,73.93 56.17,71.61 56.17,65.94 57.06,65.05 57.06,53.98 56.26,53.18 56.26,51.06 ; v2(41.11,107.54) 41.11,107.48 41.27,107.33
  BOTTOM w0.305: v1(50.55,37.66) 50.18,37.29 C1107.1 ; v1(50.58,42.86) 50.33,42.62 C1118.1
PMUIO0_VCC1V8: length 40.4
  TOP w0.229: U1000.2K11 v1(49.9,43.51)
  TOP w0.508: 51.4,75.82 R1125.1 52.83,75.59 52.37,75.13 v2(52.37,75.06)
  L4-SIG w0.178: v1(49.9,43.51) 50.46,44.07 50.92,44.07 51.46,44.61 51.46,46.81 51.66,47.01 51.66,47.75
  L4-SIG w0.508: v2(52.37,75.06) 52.37,74.6 52.2,74.43 v1(52.2,72.39) 52.2,67.45 55.84,63.81 v1(55.84,58.93) 55.84,54.48 55.04,53.68 55.04,52.04 51.66,48.66 51.66,47.75
  BOTTOM w0.305: 55.14,58.11 55.14,58.23 v1(55.84,58.93) ; C1103.1 50.19,43.8 v1(49.9,43.51)
PMUIO1_VCC: length 35.8
  TOP w0.229: U1000.1U20 v1(50.31,44.74)
  TOP w0.508: v2(51.03,72.53) v2(47.38,72.53)
  L4-SIG w0.178: 50.29,47.12 49.96,46.78 49.96,45.09 v1(50.31,44.74)
  L4-SIG w0.508: 50.29,47.12 50.29,49.83 52.91,52.44 52.91,54.59 54.63,56.32 54.63,63.29 51.03,66.9 v2(51.03,72.53)
  BOTTOM w0.305: C1106.1 50.28,44.71 v1(50.31,44.74)
PWM0_CH0_M0_IR: length 30.2
  TOP w0.102: v1(50.79,45.66) U1000.1W22
  BOTTOM w0.102: v1(50.79,45.66) 51.16,46.03 51.16,47.76 53.59,50.19 53.59,50.88 53.95,51.24 54.16,51.24 57.01,54.09 57.01,57.26 58.91,59.15 59.59,59.15 68.16,67.72
PWM0_CH1_LOGIC_MEM: length 11.9
  TOP w0.102: v1(50.79,45.06) U1000.1W21
  BOTTOM w0.102: 57.28,53.59 51.36,47.67 51.36,45.95 51.36,45.95 TP1104.1 51.18,45.06 v1(50.79,45.06)